# KiCad board Video Timer.kicad_pcb (continued)
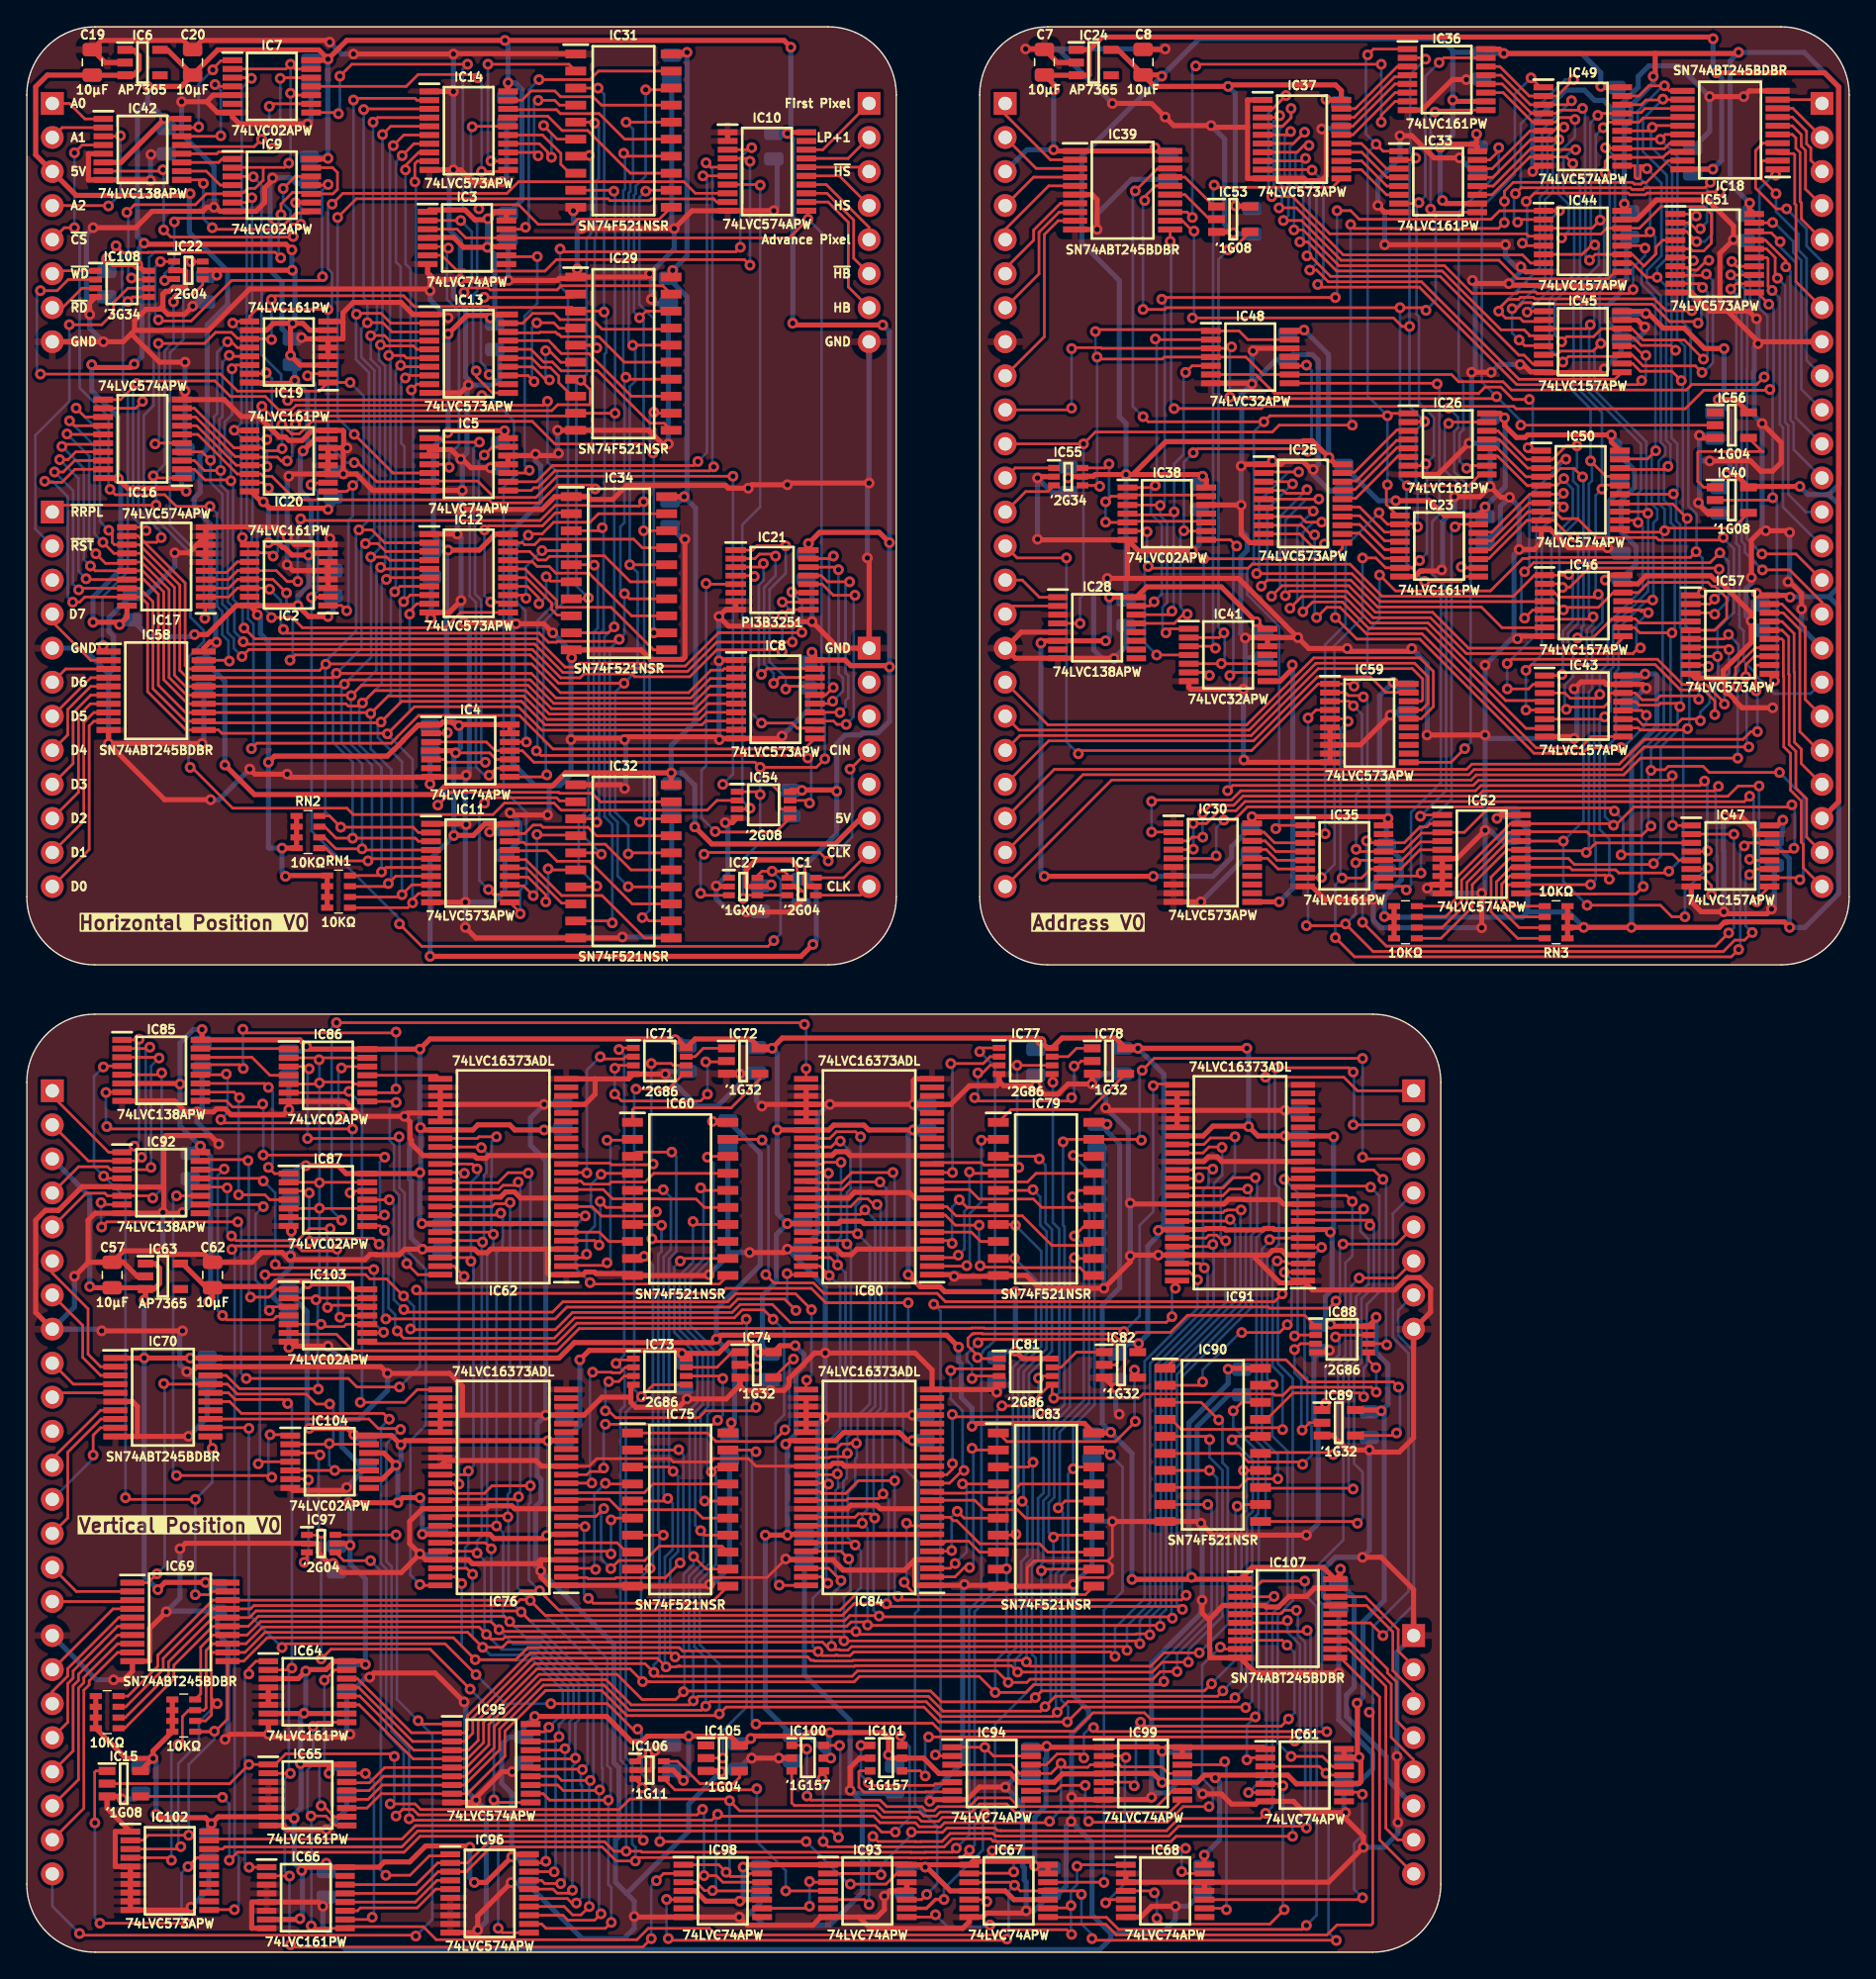
[diagram p0: board, top side]
## Routing (per net, layer and track width the routed paths; a pad name or vN(x,y) marks a point on that pad's centre or on a via; arc(x,y) is an arc through that point) (continued)
  Bottom w0.2: v1(18.92,139.79) 18.92,135.18 v1(18.32,134.58)
/Horizontal Position/~{Back Porch End}: length 31.6
  Top w0.2: IC4.9 35.04,88.33 v1(34.51,87.81) ; IC5.1 30.84,112.95 31.14,112.65 v1(33.78,112.65)
  Bottom w0.2: v1(34.51,87.81) 34.15,87.81 33.52,88.43 33.52,100.71 33.06,101.17 33.06,106.68 33.34,106.97 33.34,112.21 v1(33.78,112.65)
/Horizontal Position/~{Back Porch End} _{CMP}: length 28.3
  Top w0.2: v1(37.43,105.71) 37.54,105.81 38.46,105.81 39.32,106.67 42.03,106.67 42.67,107.31 IC34.19 ; IC4.12 37.28,90.28 v1(37.29,90.28)
  Bottom w0.2: v1(37.29,90.28) 37.21,90.36 37.21,100.08 36.98,100.3 36.97,100.3 36.56,100.71 36.56,104.84 v1(37.43,105.71)
/Horizontal Position/~{Back Porch Start}: length 29.7
  Top w0.2: v1(34.22,88.77) 31.37,88.77 31.16,88.98 IC4.5 ; v1(34.14,111.69) 34.75,112.3 IC5.13
  Bottom w0.2: v1(34.14,111.69) 33.74,111.29 33.74,106.8 33.46,106.52 33.46,101.33 33.92,100.87 33.92,89.07 v1(34.22,88.77)
/Horizontal Position/~{Back Porch Start} _{CMP}: length 25
  Top w0.2: v1(30.68,85.57) 31.63,86.52 39.7,86.52 39.77,86.46 42.2,86.46 42.83,85.82 IC32.19 ; v1(31.39,90.98) 31.34,90.93 IC4.2
  Bottom w0.2: v1(30.68,85.57) 31.24,86.13 31.24,90.84 v1(31.39,90.98)
/Horizontal Position/~{Front Porch Start}: length 20.2
  Top w0.2: v1(31.53,110.77) 31.3,111 IC5.4 ; IC3.5 31.36,127.24 v1(31.47,127.13)
  Bottom w0.2: v1(31.47,127.13) 31.36,127.02 31.36,123.3 32.26,122.4 32.26,112.46 31.53,111.73 v1(31.53,110.77)
/Horizontal Position/~{Front Porch Start} _{CMP}: length 24.4
  Top w0.2: v1(32.64,123.83) 32.97,124.16 34.43,124.16 34.58,124.01 39.58,124.01 39.89,124.32 47.46,124.32 IC29.19 ; v1(32.39,129.18) 32.38,129.19 IC3.2
  Bottom w0.2: v1(32.39,129.18) 33.21,128.36 33.21,124.4 v1(32.64,123.83)
/Horizontal Position/~{Horizontal Blank}: length 137.4
  Top w0.2: v1(16.1,105.54) 16.1,105.31 16.38,105.03 ; v1(15.37,121.54) 15.49,121.67 16.62,121.67 ; v1(51.94,87.12) 55.59,87.12 56.19,86.52 56.19,85.37 56.29,85.27 56.97,85.27 ; IC5.6 26.12,109.7 24.69,111.12 v1(24.44,111.12) ; v1(52.71,110.11) 39.57,110.11 37.99,108.52 34.88,108.52 33.66,109.75 30.1,109.75 ; v1(15.48,113.54) 15.5,113.53 IC20.9 ; IC19.9 16.63,122.04 17.15,122.56 v1(22.48,122.56) ; IC10.8 49.9,131.22 49.04,132.08 36.7,132.08 35.83,131.21 23.59,131.21 v1(22.79,130.41)
  Bottom w0.2: v1(51.94,87.12) 52.71,87.88 v1(52.71,110.11) ; v1(15.37,121.54) 16.01,120.89 16.01,114.07 v1(15.48,113.54) 16,113.02 16,110.15 16,110.14 16,109.57 16,109.56 16,105.63 v1(16.1,105.54) ; v1(24.44,111.12) 23.85,111.12 22.48,112.5 v1(22.48,122.56) 22.77,122.85 22.77,125.29 22.48,125.58 22.48,130.1 v1(22.79,130.41)
/Horizontal Position/~{Horizontal Blank} _{OUT}: length 8.8
  Top w0.2: J2.6 61.71,126.37 61.71,129.22 59.72,131.22 IC10.13
/Horizontal Position/~{Horizontal Sync}: length 40.7
  Top w0.2: v1(50.7,133.49) 51.02,133.17 IC10.5 ; v1(51.27,110.81) 50.97,110.51 39.41,110.51 38.15,109.25 37.84,109.25 37.64,109.05 IC5.8
  Bottom w0.2: v1(51.27,110.81) 51.17,110.91 51.17,133.02 v1(50.7,133.49)
/Horizontal Position/~{Horizontal Sync} _{OUT}: length 4.4
  Top w0.2: IC10.16 62.54,133.17
/Horizontal Position/~{Pixel CLK}: length 116.7
  Top w0.2: v1(54.74,86.36) 54.52,86.57 53.02,86.57 ; IC1.3 IC27.4 53.71,78.85 v1(53.47,78.61) ; IC3.3 32.12,128.54 32.77,127.89 56.91,127.89 v1(58.31,129.29) 58.31,129.79 IC10.11 ; v1(59.56,89.03) 58.93,88.39 v1(54.74,88.39) 54.36,88.77 37.85,88.77 36.99,89.63 IC4.11 34.95,89.63 34.3,90.28 IC4.3
  Bottom w0.2: v1(53.47,78.61) 53.47,81.53 54.74,82.8 v1(54.74,86.36) v1(54.74,88.39) ; v1(59.56,89.03) 59.56,92.35 59.32,92.59 59.32,128.28 v1(58.31,129.29)
/Horizontal Position/~{Pixel CLK} _{OUT}: length 4.8
  Top w0.2: J3.7 60.98,80.15 IC1.6
/Horizontal Position/~{RD}: length 58.4
  Top w0.2: 21.13,131.28 19.83,131.28 18.97,130.43 v1(18.97,129.63) ; v1(18.95,126.4) 18.53,126.82 9.07,126.82 9.05,126.8 7.16,126.8 v1(6.66,127.3) ; IC108.5 7.89,123.48 v1(7.54,123.14) ; 6.1,97.05 v1(5.69,97.46) ; IC9.10 22.84,131.18 23.19,131.52 23.19,132.77 22.83,133.13 IC9.13
  Bottom w0.2: v1(18.97,129.63) 18.8,129.45 18.8,126.55 v1(18.95,126.4) ; v1(6.66,127.3) 7.11,126.85 7.11,123.57 v1(7.54,123.14) 7.18,122.77 7.18,116.44 7.53,116.09 7.53,102.98 5.64,101.09 5.64,97.51 v1(5.69,97.46)
/Horizontal Position/~{RD}_{IN}: length 3.8
  Top w0.2: J1.7 2.67,122.68 4.12,124.13 IC108.3
/Horizontal Position/~{Read Row Position Low}: length 28.7
  Top w0.2: v1(9.43,110.14) 9.59,109.98 11.57,109.98 ; v1(9.65,107.95) 2.41,107.95 ; IC22.4 13.13,124.4 12.42,123.7 11.12,123.7 10.95,123.53 v1(10.95,123.12)
  Bottom w0.2: v1(9.65,107.95) 9.65,109.92 v1(9.43,110.14) 10.29,110.99 10.29,119.49 10.95,120.15 v1(10.95,123.12)
/Horizontal Position/~{Reset _{IN}}: length 25.6
  Top w0.2: v1(3.18,121.41) 5.59,121.41 6.48,122.3 6.48,123.06 7.55,124.13 IC108.6
  Bottom w0.2: v1(3.18,121.41) 3.18,115.7 0.63,113.16 0.63,106.17 J5.2
/Horizontal Position/~{Reset}: length 56.4
  Top w0.2: v1(1.02,123.95) 2.26,123.95 3.09,124.78 IC108.2 ; IC20.1 23.89,108.98 v1(24.33,109.42) ; v1(1.02,117.73) 14.46,117.73 15.73,116.46 21.84,116.46 IC19.1 v1(24.13,117.1) ; IC2.1 23.48,100.47 v1(23.88,100.08)
  Bottom w0.2: v1(24.13,117.1) 25.14,116.09 25.14,111.41 25.14,111.41 25.14,110.23 v1(24.33,109.42) 24.33,107.14 24,106.81 24,100.2 v1(23.88,100.08) ; v1(1.02,123.95) 0.75,123.69 0.75,117.99 v1(1.02,117.73)
/Horizontal Position/~{RRPH}: length 30.2
  Top w0.2: v1(12.24,126.12) 12.25,126.13 IC22.6 ; 13.35,100.45 13.35,99.57 v1(13.29,99.5)
  Bottom w0.2: v1(13.29,99.5) 13.22,99.58 13.22,103.93 10.69,106.46 10.69,119.32 11.68,120.32 11.68,125.56 v1(12.24,126.12)
/Horizontal Position/~{Sync Start}: length 20.3
  Top w0.2: v1(38.1,126.49) 38.1,126.49 35.89,126.49 ; v1(37.5,110.55) 37.3,110.35 IC5.10
  Bottom w0.2: v1(37.5,110.55) 37.16,110.9 37.16,122.07 38.1,123.01 v1(38.1,126.49)
/Horizontal Position/~{Sync Start} _{CMP}: length 23.1
  Top w0.2: 35.79,128.54 37.08,128.54 v1(37.22,128.68) ; v1(38.23,139.7) 42.04,139.7 42.67,140.33 IC31.19
  Bottom w0.2: v1(38.23,139.7) 37.46,138.94 37.46,128.92 v1(37.22,128.68)
/Horizontal Position/~{WD}: length 37.9
  Top w0.2: v1(7.46,129.79) 8.04,130.37 12.58,130.37 13.39,131.18 15.35,131.18 ; v1(19.55,133.46) 19.24,133.15 17.63,133.15 ; IC7.13 20.04,140.49 v1(19.69,140.84) 19.33,140.49 15.35,140.49 ; 15.44,131.27 16.19,131.27 16.51,131.59 17.03,131.59 17.64,132.2 17.64,133.14 17.63,133.15 ; 17.63,133.15 15.37,133.15 ; IC7.10 19.83,138.54 v1(19.69,138.68) ; IC108.7 7.92,124.78 v1(7.81,124.9)
  Bottom w0.2: v1(19.55,133.46) 19.69,133.6 v1(19.69,138.68) v1(19.69,140.84) ; v1(7.81,124.9) 7.57,125.14 7.57,126.81 7.57,126.81 7.57,129.69 v1(7.46,129.79)
/Horizontal Position/~{WD}_{IN}: length 3
  Top w0.2: 5.14,125.43 2.12,125.43
/Horizontal Position/~{Y1}: length 8.3
  Top w0.2: 15.35,139.19 14.18,139.19 v1(14.04,139.33) ; IC42.14 14.44,135.47 v1(14.48,135.51)
  Bottom w0.2: v1(14.48,135.51) 14.48,138.9 v1(14.04,139.33)
/Vertical Position/A0: length 17
  Top w0.2: v1(8.38,68.11) 8.33,68.06 7.11,68.06 ; 7.56,59.68 v1(8.02,60.13) ; 7.11,59.68 6.11,59.68 1.9,63.88
  Bottom w0.2: v1(8.38,68.11) 8.38,60.5 v1(8.02,60.13)
/Vertical Position/A1: length 18.5
  Top w0.2: J11.2 4.6,59.03 8.3,59.03 v1(8.57,59.3) ; 7.11,67.41 9.07,67.41 v1(9.18,67.52)
  Bottom w0.2: v1(9.18,67.52) 8.87,67.21 8.87,59.6 v1(8.57,59.3)
/Vertical Position/A2: length 19.5
  Top w0.2: J11.4 3.86,58.6 6.03,58.6 6.25,58.38 9.1,58.38 v1(9.27,58.55) ; v1(9.87,66.71) 9.82,66.76 7.11,66.76
  Bottom w0.2: v1(9.87,66.71) 9.27,66.11 v1(9.27,58.55)
/Vertical Position/A3: length 21.3
  Top w0.2: J11.5 4.42,56.62 5.83,56.62 6.02,56.43 9.23,56.43 v1(9.4,56.26) ; v1(10.06,65.6) 9.92,65.46 7.11,65.46
  Bottom w0.2: v1(9.4,56.26) 10.06,56.93 v1(10.06,65.6)
/Vertical Position/Back Porch End D0: length 14.2
  Top w0.2: IC84.2 69.28,28 69.98,28.7 v1(70.36,28.7) ; IC83.2 70.67,37.46 v1(70.55,37.59)
  Bottom w0.2: v1(70.36,28.7) 70.65,28.98 70.65,37.49 v1(70.55,37.59)
/Vertical Position/Back Porch End D1: length 11
  Top w0.2: v1(69.28,29) 68.92,28.64 IC84.3 ; v1(69.84,34.94) 69.86,34.92 IC83.4
  Bottom w0.2: v1(69.84,34.94) 70.14,34.64 70.14,29.86 v1(69.28,29)
/Vertical Position/Back Porch End D2: length 7.9
  Top w0.2: IC84.5 68.97,29.91 v1(69.03,29.96) ; v1(69.44,32.89) 69.95,32.38 IC83.6
  Bottom w0.2: v1(69.03,29.96) 69.03,32.48 v1(69.44,32.89)
/Vertical Position/Back Porch End D3: length 5.3
  Top w0.2: IC84.6 68.46,30.54 68.58,30.66 70.3,30.66 71.12,29.84 IC83.8
/Vertical Position/Back Porch End D4: length 21.3
  Top w0.2: v1(65.66,32) 65.85,31.81 IC84.8 ; 79.63,27.3 79.01,26.68 66.3,26.68 65.48,27.5 v1(65.48,27.6)
  Bottom w0.2: v1(65.48,27.6) 65.66,27.78 v1(65.66,32)
/Vertical Position/Back Porch End D5: length 13.1
  Top w0.2: IC84.9 68.9,32.45 69.15,32.19 69.41,32.19 71.13,30.47 75.58,30.47 76.21,29.84 IC83.13
/Vertical Position/Back Porch End D6: length 12.6
  Top w0.2: IC83.15 74.56,32.38 73.93,33.01 71.46,33.01 70.75,33.72 IC84.11
/Vertical Position/Back Porch End D7: length 12.2
  Top w0.2: 67.68,34.24 70.13,34.24 70.19,34.3 73.53,34.3 74.16,34.92 IC83.17
/Vertical Position/Back Porch End D8: length 14.2
  Top w0.2: v1(69.95,35.94) 69.81,35.94 68.87,34.99 IC84.13 ; v1(68.96,43.4) 69.08,43.52 72.47,43.52
  Bottom w0.2: v1(68.96,43.4) 68.96,41.28 69.85,40.39 69.85,36.04 v1(69.95,35.94)
/Vertical Position/Back Porch End D9: length 16.1
  Top w0.2: IC84.14 68.66,35.62 69.09,36.05 v1(69.09,36.45) ; v1(75.56,40.26) 75.25,39.94 69.25,39.94 v1(69.07,40.12) ; v1(75.51,42.83) 75.67,42.98 IC81.6
  Bottom w0.2: v1(69.09,36.45) 69.09,40.1 v1(69.07,40.12) ; v1(75.51,42.83) 75.51,40.31 v1(75.56,40.26)
/Vertical Position/Back Porch Start D0: length 13.7
  Top w0.2: IC79.2 71.31,60.64 v1(71.25,60.58) ; v1(70.15,51.22) 70.12,51.18 IC80.2
  Bottom w0.2: v1(71.25,60.58) 71.25,55.98 70.38,55.11 70.38,51.44 v1(70.15,51.22)
/Vertical Position/Back Porch Start D1: length 10.8
  Top w0.2: v1(70.36,58.2) 70.46,58.1 IC79.4 ; IC80.3 69.35,51.82 v1(69.52,51.99)
  Bottom w0.2: v1(69.52,51.99) 69.98,52.45 69.98,55.27 70.36,55.65 v1(70.36,58.2)
/Vertical Position/Back Porch Start D2: length 8.2
  Top w0.2: v1(69.6,56.13) 70.17,55.56 IC79.6 ; IC80.5 68.86,53.09 v1(69.06,52.88)
  Bottom w0.2: v1(69.6,56.13) 69.06,55.6 v1(69.06,52.88)
/Vertical Position/Back Porch Start D3: length 5.2
  Top w0.2: IC80.6 70.5,53.72 71.2,53.02 IC79.8
/Vertical Position/Back Porch Start D4: length 15.2
  Top w0.2: v1(71.15,51.21) 71.26,51.11 73.39,51.11 73.43,51.07 78.6,51.07 79.19,50.48 ; IC80.8 68.55,54.99 69.3,54.24 v1(71.08,54.24)
  Bottom w0.2: v1(71.08,54.24) 71.08,51.29 v1(71.15,51.21)
/Vertical Position/Back Porch Start D5: length 13.4
  Top w0.2: IC80.9 68.66,55.63 69.35,54.94 74.3,54.94 76.5,52.73 79.34,52.73 IC79.13
/Vertical Position/Back Porch Start D6: length 12.6
  Top w0.2: IC79.15 75.76,55.56 75.13,56.19 71.07,56.19 70.36,56.9 IC80.11
/Vertical Position/Back Porch Start D7: length 12.3
  Top w0.2: 67.63,57.47 74.69,57.47 75.33,58.1 IC79.17
/Vertical Position/Back Porch Start D8: length 13.5
  Top w0.2: v1(68.96,66.29) 71.38,66.29 71.9,66.81 IC77.2 ; IC80.13 v1(69.09,58.17)
  Bottom w0.2: v1(68.96,66.29) 69.09,66.17 v1(69.09,58.17)
/Vertical Position/Back Porch Start D9: length 16.8
  Top w0.2: IC77.6 73.92,66.16 v1(73.91,66.17) ; 67.67,58.9 71.27,58.9 71.45,58.73 73.86,58.73 v1(74.04,58.55)
  Bottom w0.2: v1(74.04,58.55) 73.91,58.67 v1(73.91,66.17)
/Vertical Position/Clear Interrupt: length 63.8
  Top w0.2: v1(53.7,47.23) 53.4,46.93 41.06,46.93 39.54,45.4 25.56,45.4 IC103.8 ; IC105.2 v1(51.94,14.48)
  Bottom w0.2: v1(51.94,14.48) 51.94,16.51 53.72,18.29 53.72,47.2 v1(53.7,47.23)
/Vertical Position/Clear Interrupt ~{CS}: length 25.1
  Top w0.2: v1(17.65,57.53) 17.45,57.73 IC92.13 ; v1(26.63,46.25) 26.58,46.2 IC103.9 ; v1(18.54,51.31) 18.8,51.05 25.77,51.05 v1(25.89,50.93)
  Bottom w0.2: v1(26.63,46.25) 25.93,46.95 25.93,50.89 v1(25.89,50.93) ; v1(17.65,57.53) 18.54,56.64 18.54,51.31 v1(18.54,51.31)
/Vertical Position/D0: length 244.8
  Top w0.2: IC96.19 38.61,6.66 v1(38.74,6.78) ; IC62.36 32.6,58.17 v1(32.66,58.1) ; IC91.36 87.44,57.72 v1(87.5,57.78) ; v1(32.64,50.42) 31.88,51.18 IC62.47 ; 37.68,16.44 38.62,16.44 v1(38.97,16.78) ; IC76.36 32.19,34.99 v1(32.26,34.92) ; v1(32.46,27.5) 31.96,28 IC76.47 ; v1(87.38,50.16) 86.81,50.74 IC91.47 ; v1(59.89,50.48) 59.2,51.18 IC80.47 ; IC84.47 59.31,28 v1(59.79,27.53) ; IC102.2 8.67,8.34 9.05,8.72 v1(12.08,8.72) ; v1(81.22,22.07) 80.9,22.39 61.71,22.39 61.45,22.13 60.53,22.13 60.49,22.17 60.4,22.17 60.35,22.13 59.36,22.13 v1(59.06,22.43) 59.01,22.47 48.95,22.47 48.69,22.73 40.2,22.73 40.2,22.73 37.4,22.73 36.5,21.83 v1(33.47,21.83) 31.83,23.46 17.94,23.46 16.19,21.71 14.98,21.71 14.98,17.39 14.04,16.45 RN6.1 13.97,16.45 v1(14,16.48) ; IC84.36 59.78,34.99 v1(59.85,34.92) ; v1(59.83,58.11) 59.78,58.17 IC80.36
  Bottom w0.2: v1(59.83,58.11) 59.82,58.09 59.82,50.56 v1(59.89,50.48) 60.71,49.67 60.71,38.99 59.69,37.97 59.69,35.08 v1(59.85,34.92) 59.67,34.75 59.67,27.64 v1(59.79,27.53) 58.66,26.4 58.66,22.83 v1(59.06,22.43) ; v1(87.5,57.78) 87.1,57.38 87.1,50.44 v1(87.38,50.16) 87.38,48.03 83.43,44.09 83.43,26.4 81.22,24.19 v1(81.22,22.07) ; v1(38.74,6.78) 38.74,16.56 v1(38.97,16.78) 40.01,17.82 40.01,19.56 37.78,21.78 33.51,21.78 v1(33.47,21.83) 32.46,22.84 v1(32.46,27.5) 32.07,27.9 32.07,34.73 v1(32.26,34.92) 32.26,50.03 v1(32.64,50.42) 32.22,50.84 32.22,57.66 v1(32.66,58.1) ; v1(14,16.48) 14,15.91 12.08,13.99 v1(12.08,8.72)
/Vertical Position/D0_{IN/OUT}: length 17.1
  Top w0.2: IC69.9 6.78,22.36 4.65,20.24 4.65,19.94 4.25,19.54 4.25,10.73 J11.23
/Vertical Position/D1: length 257.6
  Top w0.2: v1(33.6,58.44) 33.24,58.8 32.95,58.8 32.95,58.8 30.86,58.8 ; v1(33.27,28.19) 32.83,28.64 IC76.46 ; IC95.18 39.36,15.72 v1(39.72,16.08) ; v1(88.52,58.42) 88.44,58.5 87.1,58.5 86.95,58.36 IC91.35 ; RN6.2 13.34,17.25 13.78,17.69 13.78,19.68 ; v1(11.49,7.87) 11.32,7.69 IC102.3 ; v1(60.77,27.72) 59.85,28.64 IC84.46 ; v1(87.88,51.05) 87.57,51.37 IC91.46 ; IC76.35 32.69,35.62 v1(32.95,35.89) ; 13.78,19.68 13.78,22.26 13.88,22.36 IC69.12 16.28,22.36 17.77,23.86 32.91,23.86 v1(34.02,22.74) 35.5,22.74 35.88,23.13 40.04,23.13 40.04,23.13 59.4,23.13 59.7,22.83 v1(60.06,22.83) 60.31,22.57 60.65,22.57 60.7,22.53 61.28,22.53 61.55,22.8 81.84,22.8 v1(82.12,22.52) ; 13.78,19.68 13.78,18.98 v1(14.21,18.54) ; v1(60.5,35.68) 60.44,35.62 IC84.35 ; v1(60.77,58.93) 59.56,58.93 59.44,58.8 IC80.35 ; IC80.46 59.97,51.82 v1(60.52,51.27) ; IC96.18 39.34,6.01 v1(39.36,5.99) ; IC62.46 32.89,51.82 v1(33.15,51.55)
  Bottom w0.2: v1(11.49,7.87) 11.31,8.06 11.31,14.08 12.84,15.61 12.84,17.17 v1(14.21,18.54) ; v1(33.6,58.44) 33.72,58.32 33.72,58 33.15,57.43 v1(33.15,51.55) 33.34,51.36 33.34,36.28 v1(32.95,35.89) 32.95,30.43 32.72,30.2 32.72,28.75 v1(33.27,28.19) 33.27,23.5 v1(34.02,22.74) 34.59,22.18 37.95,22.18 40.41,19.72 40.41,17.66 39.72,16.97 v1(39.72,16.08) 39.47,15.82 39.47,6.1 v1(39.36,5.99) ; v1(60.77,58.93) 60.77,53.38 60.51,53.12 60.51,51.27 v1(60.52,51.27) 61.11,50.68 61.11,38.82 60.54,38.26 60.54,34.63 60.35,34.44 60.35,28.14 v1(60.77,27.72) 60.77,27.37 60.06,26.66 v1(60.06,22.83) ; v1(88.52,58.42) 88.2,58.1 88.2,57.24 87.79,56.83 87.79,51.15 v1(87.88,51.05) 88.13,50.81 88.13,48.22 83.83,43.92 83.83,26.07 82.12,24.35 v1(82.12,22.52)
/Vertical Position/D1_{IN/OUT}: length 15.2
  Top w0.2: IC69.8 6.78,23.01 4.25,20.49 4.25,20.11 3.86,19.71 3.86,12.87 J11.22
/Vertical Position/D2: length 263
  Top w0.2: v1(61.34,29.34) 60.77,29.91 IC84.44 ; IC102.4 10.61,7.04 v1(10.79,6.86) ; v1(40.17,15.18) 40.05,15.07 IC95.17 ; v1(33.92,60.02) 33.88,60.07 IC62.33 ; v1(89.2,60.04) 89.17,60.07 88.23,60.07 87.79,59.63 IC91.33 ; IC80.33 60.04,60.07 60.48,60.51 v1(60.71,60.51) ; IC76.44 33.47,29.91 v1(33.61,29.77) ; IC80.44 60.96,53.09 v1(61.21,52.83) ; v1(88.52,52.8) 88.37,52.64 IC91.44 ; v1(11.3,15.49) 11.61,15.8 11.61,17.58 12.09,18.05 RN6.3 13.21,18.05 13.38,18.22 13.38,22.51 13.88,23.01 IC69.13 16.36,23.01 17.61,24.26 33.75,24.26 v1(34.31,23.7) 34.66,23.35 35.53,23.35 35.7,23.53 39.87,23.53 39.87,23.53 60.69,23.53 v1(60.99,23.23) 61,23.22 82.87,23.22 v1(83.07,23.02) ; v1(34.02,52.97) 33.9,53.09 IC62.44 ; 37.48,5.36 38.42,5.36 38.65,5.13 v1(39.85,5.13) ; v1(61.24,37.22) 60.99,36.96 59.96,36.96 59.9,36.89 IC84.33
  Bottom w0.2: v1(33.92,60.02) 34.3,59.64 34.3,58.15 34.12,57.97 34.12,53.08 v1(34.02,52.97) 33.95,52.91 33.95,31.03 33.61,30.69 v1(33.61,29.77) 34.16,29.22 34.16,23.85 v1(34.31,23.7) 35.43,22.58 38.11,22.58 40.8,19.89 40.8,17.49 40.52,17.2 40.52,15.53 v1(40.17,15.18) 40.17,5.44 v1(39.85,5.13) ; v1(60.71,60.51) 61.47,59.75 61.47,56.95 61.21,56.7 v1(61.21,52.83) 61.51,52.54 61.51,38.66 61.21,38.37 61.21,37.25 v1(61.24,37.22) 61.2,37.17 61.2,35.39 60.95,35.14 60.95,34.47 60.88,34.4 60.88,29.8 v1(61.34,29.34) 61.47,29.21 61.47,26.99 60.99,26.52 v1(60.99,23.23) ; v1(11.3,15.49) 10.79,14.99 v1(10.79,6.86) ; v1(89.2,60.04) 89.22,60.03 89.22,57.96 88.6,57.34 88.6,52.88 v1(88.52,52.8) 88.58,52.73 88.58,48.11 84.23,43.75 84.23,25.9 83.07,24.74 v1(83.07,23.02)
/Vertical Position/D2_{IN/OUT}: length 13.3
  Top w0.2: IC69.7 6.78,23.66 3.86,20.74 3.86,20.27 3.45,19.87 3.45,15.01 J11.21
/Vertical Position/D3: length 259.4
  Top w0.2: v1(61.82,30.38) 61.65,30.54 IC84.43 ; v1(62.23,60.83) 61.85,61.21 60.42,61.21 59.92,60.71 IC80.32 ; v1(90.17,60.83) 90.08,60.74 88.34,60.74 87.86,60.26 IC91.32 ; v1(34.67,30.1) 34.22,30.54 IC76.43 ; IC80.43 61.88,53.72 v1(62.01,53.59) ; v1(40.72,4.63) 40.5,4.4 39.58,4.4 39.28,4.71 IC96.16 ; IC95.16 40.89,14.42 v1(40.94,14.48) ; IC84.32 60.41,37.53 60.8,37.92 61.38,37.92 61.44,37.97 v1(61.91,37.97) ; IC91.43 88.01,53.28 88.23,53.5 88.81,53.5 89.23,53.07 v1(89.48,53.07) ; IC62.32 33.62,60.71 33.75,60.83 v1(35.05,60.83) ; RN6.4 12.98,19.27 12.98,22.76 13.88,23.66 IC69.14 16.45,23.66 17.44,24.66 34.65,24.66 v1(35.24,24.06) 35.38,23.93 61.87,23.93 v1(61.88,23.92) 62.09,23.71 82.78,23.71 82.82,23.75 83.75,23.75 v1(83.82,23.68) ; v1(34.83,53.56) 34.67,53.72 IC62.43
  Bottom w0.2: v1(61.88,23.92) 61.88,26.84 62.25,27.21 62.25,29.95 v1(61.82,30.38) 61.28,30.92 61.28,34.23 61.35,34.3 61.35,34.33 61.83,34.82 61.83,36.81 61.95,36.93 61.95,37.51 61.83,37.62 61.83,37.89 v1(61.91,37.97) 62.01,38.06 62.01,39.99 62.92,40.9 62.92,52.68 v1(62.01,53.59) 61.85,53.75 61.85,55.66 62.23,56.04 v1(62.23,60.83) ; v1(40.72,4.63) 40.72,13.87 40.94,14.09 v1(40.94,14.48) 40.94,17.06 41.2,17.32 41.2,20.06 38.28,22.98 36.32,22.98 v1(35.24,24.06) 34.67,24.63 v1(34.67,30.1) 34.35,30.42 34.35,30.86 34.35,30.87 34.35,52.03 34.83,52.5 v1(34.83,53.56) 34.67,53.72 34.67,57.95 34.7,57.99 34.7,60.48 v1(35.05,60.83) ; v1(90.17,60.83) 90.17,58.04 89.11,56.98 89.11,53.44 v1(89.48,53.07) 89.44,53.03 89.44,48.4 84.63,43.59 84.63,25.74 83.82,24.92 v1(83.82,23.68)
/Vertical Position/D3_{IN/OUT}: length 11.4
  Top w0.2: IC69.6 6.78,24.31 3.45,20.99 3.45,20.44 3.05,20.04 3.05,17.15 J11.20
/Vertical Position/D4: length 231.5
  Top w0.2: v1(62.36,32) 62.17,31.81 IC84.41 ; IC76.41 35.04,31.81 v1(35.05,31.8) ; 58.22,55.05 62.23,55.05 v1(62.55,55.37) ; RN5.1 7.31,16.71 10.98,20.38 10.98,21.41 13.88,24.31 IC69.15 16.53,24.31 17.28,25.06 35.65,25.06 v1(36.04,24.66) 36.38,24.33 61.2,24.33 61.51,24.64 62.52,24.64 v1(62.75,24.41) 62.78,24.38 84.53,24.38 v1(84.59,24.32) ; v1(35.37,55.14) 35.22,54.99 IC62.41 ; IC91.41 89.68,54.55 v1(89.81,54.67) ; v1(41.47,13.62) 41.44,13.65 37.73,13.65 ; 37.54,4 40.34,4 40.68,3.67 v1(41.02,3.67)
  Bottom w0.2: v1(84.59,24.32) 84.59,25.13 85.03,25.57 85.03,43.42 90.18,48.57 90.18,54.3 v1(89.81,54.67) ; v1(62.55,55.37) 63.32,54.6 63.32,40.74 62.71,40.13 62.71,32.99 62.36,32.64 v1(62.36,32) 62.75,31.61 v1(62.75,24.41) ; v1(41.02,3.67) 41.44,4.09 41.44,12.44 41.35,12.52 41.35,13.51 v1(41.47,13.62) 41.85,14.01 41.85,19.98 38.45,23.38 37.32,23.38 v1(36.04,24.66) 35.56,25.14 35.56,31.29 v1(35.05,31.8) 35.05,52.17 35.5,52.62 35.5,53.06 35.53,53.08 35.53,54.98 v1(35.37,55.14)
/Vertical Position/D4_{IN/OUT}: length 9.5
  Top w0.2: J11.19 1.9,19.46 3.05,20.61 3.05,21.15 6.86,24.96 IC69.5
/Vertical Position/D5: length 238.1
  Top w0.2: v1(63.28,32.39) 62.97,32.7 62.07,32.7 61.81,32.45 IC84.40 ; IC91.40 89.28,55.18 89.42,55.33 89.55,55.33 89.59,55.37 v1(90.63,55.37) ; IC96.14 40.11,3.41 40.73,2.78 41.36,2.78 v1(41.98,3.4) ; RN5.2 7.35,17.51 10.58,20.74 10.58,21.66 13.88,24.96 IC69.16 16.62,24.96 17.11,25.46 36.82,25.46 v1(36.9,25.38) 37.55,24.73 61.04,24.73 61.42,25.11 63.59,25.11 v1(63.62,25.08) 63.68,25.02 85.4,25.02 v1(85.5,24.92) ; v1(36.07,55.93) 35.89,55.93 35.8,55.84 34.94,55.84 34.72,55.63 IC62.40 ; IC95.14 39.61,13.12 39.92,12.81 v1(42.05,12.81) ; v1(35.9,32.47) 35.82,32.56 30.97,32.56 ; IC80.40 61.49,55.63 62.07,56.2 62.77,56.2 63.19,55.78 v1(63.46,55.78)
  Bottom w0.2: v1(90.63,55.37) 90.59,55.33 90.59,53.8 90.58,53.8 90.58,48.4 85.43,43.26 85.43,24.99 v1(85.5,24.92) ; v1(41.98,3.4) 41.98,12.74 v1(42.05,12.81) 42.29,13.06 42.29,20.1 38.61,23.78 38.5,23.78 v1(36.9,25.38) 35.96,26.32 35.96,32.42 v1(35.9,32.47) 35.9,34.16 36.07,34.33 v1(36.07,55.93) ; v1(63.62,25.08) 63.2,25.5 63.2,32.31 v1(63.28,32.39) 63.2,32.47 63.2,40.05 63.72,40.57 63.72,55.52 v1(63.46,55.78)
/Vertical Position/D5_{IN/OUT}: length 7.9
  Top w0.2: 7.88,25.61 6.44,25.61 J11.18
/Vertical Position/D6: length 247.8
  Top w0.2: v1(63.67,57.46) 61.44,57.46 60.87,56.9 IC80.38 ; v1(42.85,2.87) 42.37,2.38 40.39,2.38 40.02,2.76 IC96.13 ; IC95.13 39.63,12.47 40.04,12.06 42.72,12.06 v1(42.76,12.11) ; v1(86.25,25.58) 86.04,25.79 64.37,25.79 v1(64.17,25.99) 61.74,25.99 60.87,25.13 38.69,25.13 v1(37.58,26.24) 37.51,26.31 36.83,26.31 36.39,25.86 34.48,25.86 32.78,25.86 16.95,25.86 16.7,25.61 13.88,25.61 10.18,21.91 10.18,21.1 7.38,18.31 RN5.3 ; IC84.38 61.18,33.72 61.3,33.84 63.55,33.84 v1(63.9,34.19) ; v1(91.12,56.93) 89.77,56.93 89.27,56.43 85.87,56.43 ; v1(36.68,57.46) 36.43,57.21 35.54,57.21 35.23,56.9 IC62.38 ; v1(36.7,33.97) 36.53,33.8 30.94,33.8
  Bottom w0.2: v1(63.67,57.46) 64.16,56.97 64.16,40.45 63.86,40.14 63.86,34.24 v1(63.9,34.19) 64.31,33.78 64.31,26.14 v1(64.17,25.99) ; v1(91.12,56.93) 91.33,56.73 91.33,53.98 90.98,53.63 90.98,48.24 85.83,43.09 85.83,26 v1(86.25,25.58) ; v1(42.85,2.87) 42.71,3.01 42.71,12.05 v1(42.76,12.11) 42.98,12.33 42.98,13.71 42.92,13.77 42.92,20.89 v1(37.58,26.24) 36.64,27.18 36.64,33.91 v1(36.7,33.97) 36.83,34.1 36.83,57.31 v1(36.68,57.46)
/Vertical Position/D6_{IN/OUT}: length 5.9
  Top w0.2: J11.16 7.78,26.16
/Vertical Position/D7: length 255.4
  Top w0.2: v1(64.77,35.18) 62.07,35.18 61.12,34.22 59.32,34.22 59.19,34.35 IC84.37 ; IC80.37 58.28,57.41 60.82,57.41 61.58,58.17 v1(64.64,58.17) ; v1(37.43,58.12) 37.39,58.16 35.92,58.16 35.17,57.4 32.26,57.4 32.14,57.53 IC62.37 ; 85.91,57.02 89.29,57.02 90.05,57.78 v1(91.69,57.78) ; v1(86.53,26.63) 86.18,26.28 65.29,26.28 v1(65.02,26.54) 64.88,26.69 61.87,26.69 60.71,25.53 39.7,25.53 v1(38.27,26.96) 36.92,26.96 36.22,26.26 35.31,26.26 35.3,26.26 IC69.18 13.88,26.26 9.78,22.16 9.78,21.34 7.55,19.11 RN5.4 ; IC95.12 38.55,11.82 39.02,11.34 v1(43.41,11.34) ; v1(37.58,34.8) 34.72,34.8 34.15,34.22 31.97,34.22 31.84,34.35 IC76.37 ; v1(43.62,2.22) 43.18,1.78 38.75,1.78 38.42,2.11 IC96.12
  Bottom w0.2: v1(86.53,26.63) 86.23,26.93 86.23,42.93 91.38,48.07 91.38,53.46 91.82,53.91 91.82,57.66 v1(91.69,57.78) ; v1(37.43,58.12) 37.59,57.96 37.59,34.81 v1(37.58,34.8) 37.58,33.55 37.47,33.43 37.47,27.76 v1(38.27,26.96) 43.32,21.91 43.32,13.93 43.58,13.68 43.58,11.52 v1(43.41,11.34) 43.41,5.05 43.62,4.83 v1(43.62,2.22) ; v1(64.64,58.17) 64.77,58.04 v1(64.77,35.18) 64.77,26.8 v1(65.02,26.54)
/Vertical Position/D7_{IN/OUT}: length 6.7
  Top w0.2: IC69.2 3.69,26.91 J11.15
/Vertical Position/Device ~{CS}: length 56.4
  Top w0.2: v1(5.74,57.9) 5.91,57.73 7.11,57.73 ; 7.11,66.11 5.79,66.11 v1(5.71,66.04) ; v1(12.57,33.78) 7.49,33.78 v1(7.37,33.91) ; IC70.11 13.71,37.72 v1(13.84,37.59) ; v1(12.57,26.67) 13.59,26.67 13.83,26.91 IC69.19
  Bottom w0.2: v1(7.37,33.91) 7.37,56.27 v1(5.74,57.9) 5.02,58.62 5.02,65.34 v1(5.71,66.04) ; v1(12.57,26.67) v1(12.57,33.78) 13.84,35.05 v1(13.84,37.59)
/Vertical Position/Device ~{CS} _{IN}: length 7.9
  Top w0.2: IC70.9 5.51,39.13 4.95,38.57 v1(4.95,37.08)
  Bottom w0.2: J11.13 4.95,36.83 v1(4.95,37.08)
/Vertical Position/Enable: length 123.3
  Top w0.2: IC64.1 17.11,21.71 16.57,21.18 v1(16.57,20.76) ; IC98.1 51.64,6.52 v1(52.2,5.97) 52.52,5.65 53.76,5.65 53.98,5.87 IC98.13 ; IC66.1 16.6,6.34 v1(16.59,6.34) ; v1(71.5,10.36) 71.2,10.06 70.66,10.06 68.34,10.06 68.04,9.76 66.78,9.76 66.48,10.06 65.57,10.06 63.84,10.06 63.36,10.55 53.21,10.55 v1(52.45,11.3) 52.32,11.43 45.01,11.43 44.23,10.64 42.72,10.64 42.72,10.65 29.4,10.65 28.98,11.06 v1(27.12,11.06) ; 69.07,15.28 v1(71.5,15.28) 72.15,14.63 IC94.13 ; v1(27.43,14.6) 27.24,14.8 19.32,14.8 18.53,14 ; IC15.2 15.15,12.57 v1(16.57,14) 16.58,14 IC65.1
  Top w0.25: v1(68.45,3.94) 67.82,3.94 67.15,3.27 IC93.9
  Bottom w0.2: v1(52.2,5.97) 52.45,6.22 v1(52.45,11.3) ; v1(71.5,15.28) v1(71.5,10.36) 71.36,10.21 71.36,7.63 68.45,4.73 v1(68.45,3.94) ; v1(27.43,14.6) 27.43,11.37 v1(27.12,11.06) ; v1(16.59,6.34) 16.27,6.65 16.27,13.7 v1(16.57,14) 16.27,14.3 16.27,20.46 v1(16.57,20.76)
